# KiCad board oresat-batteries.kicad_pcb
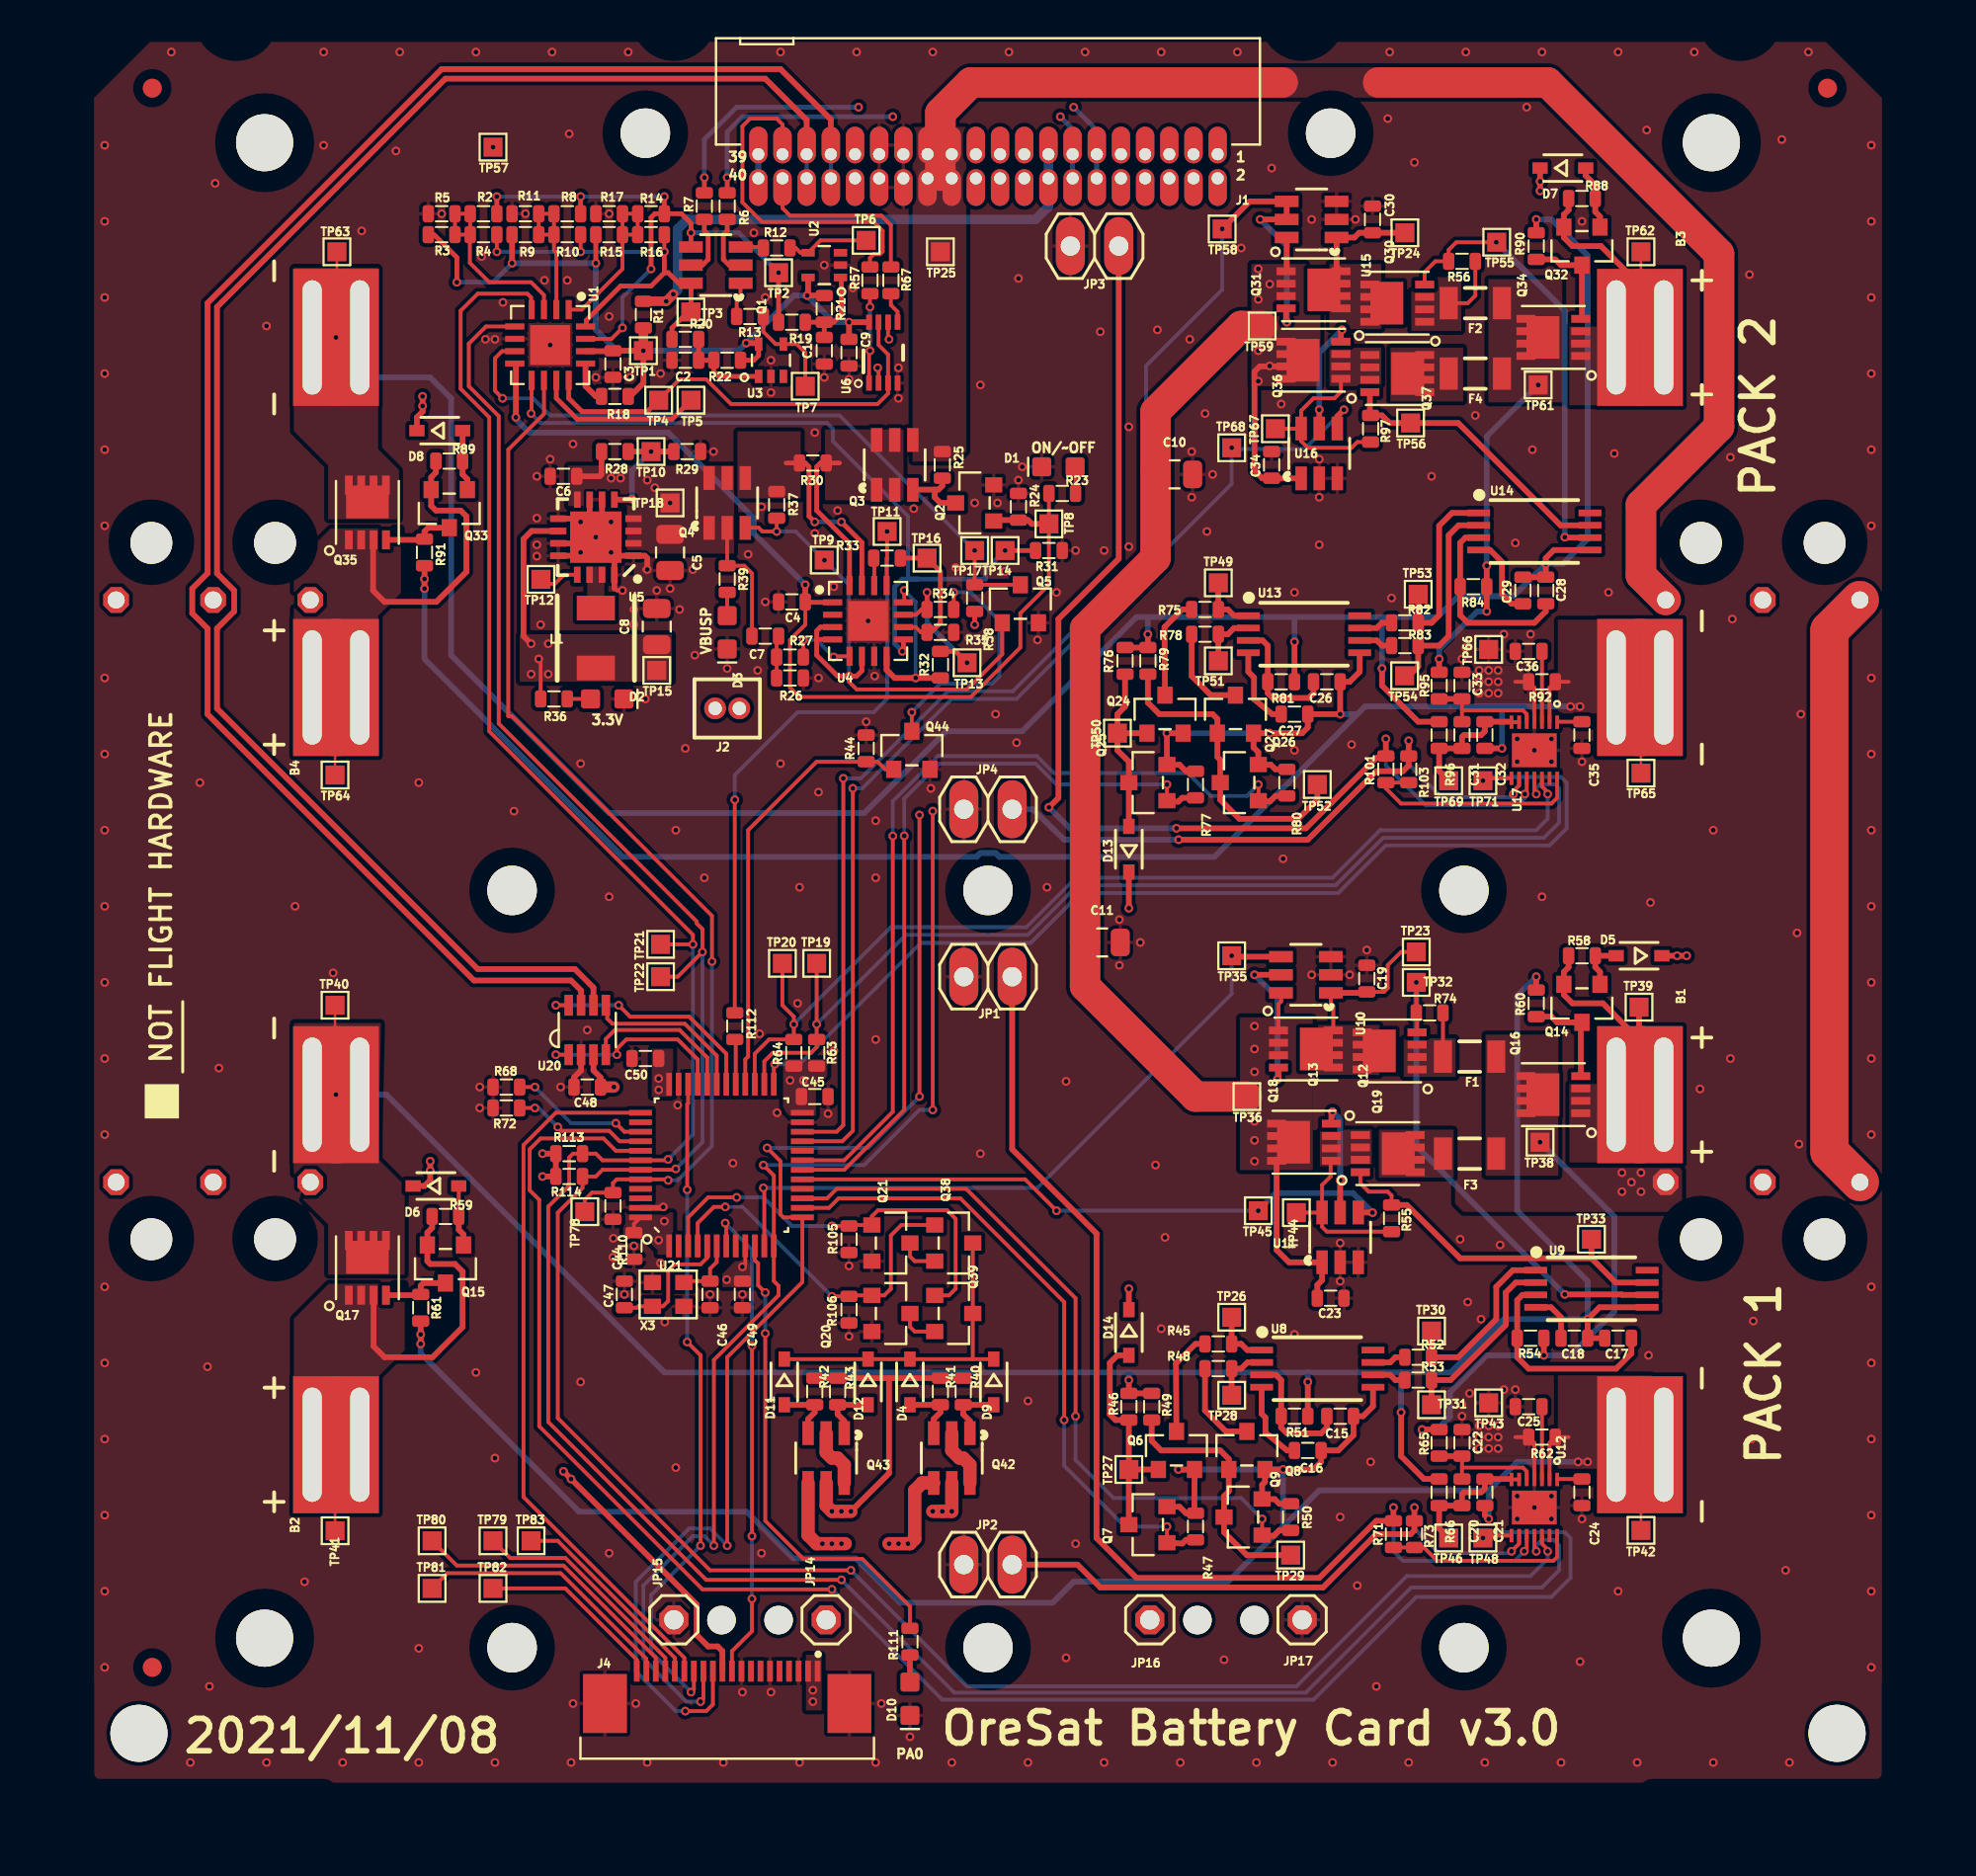
[diagram p0: board, top side]
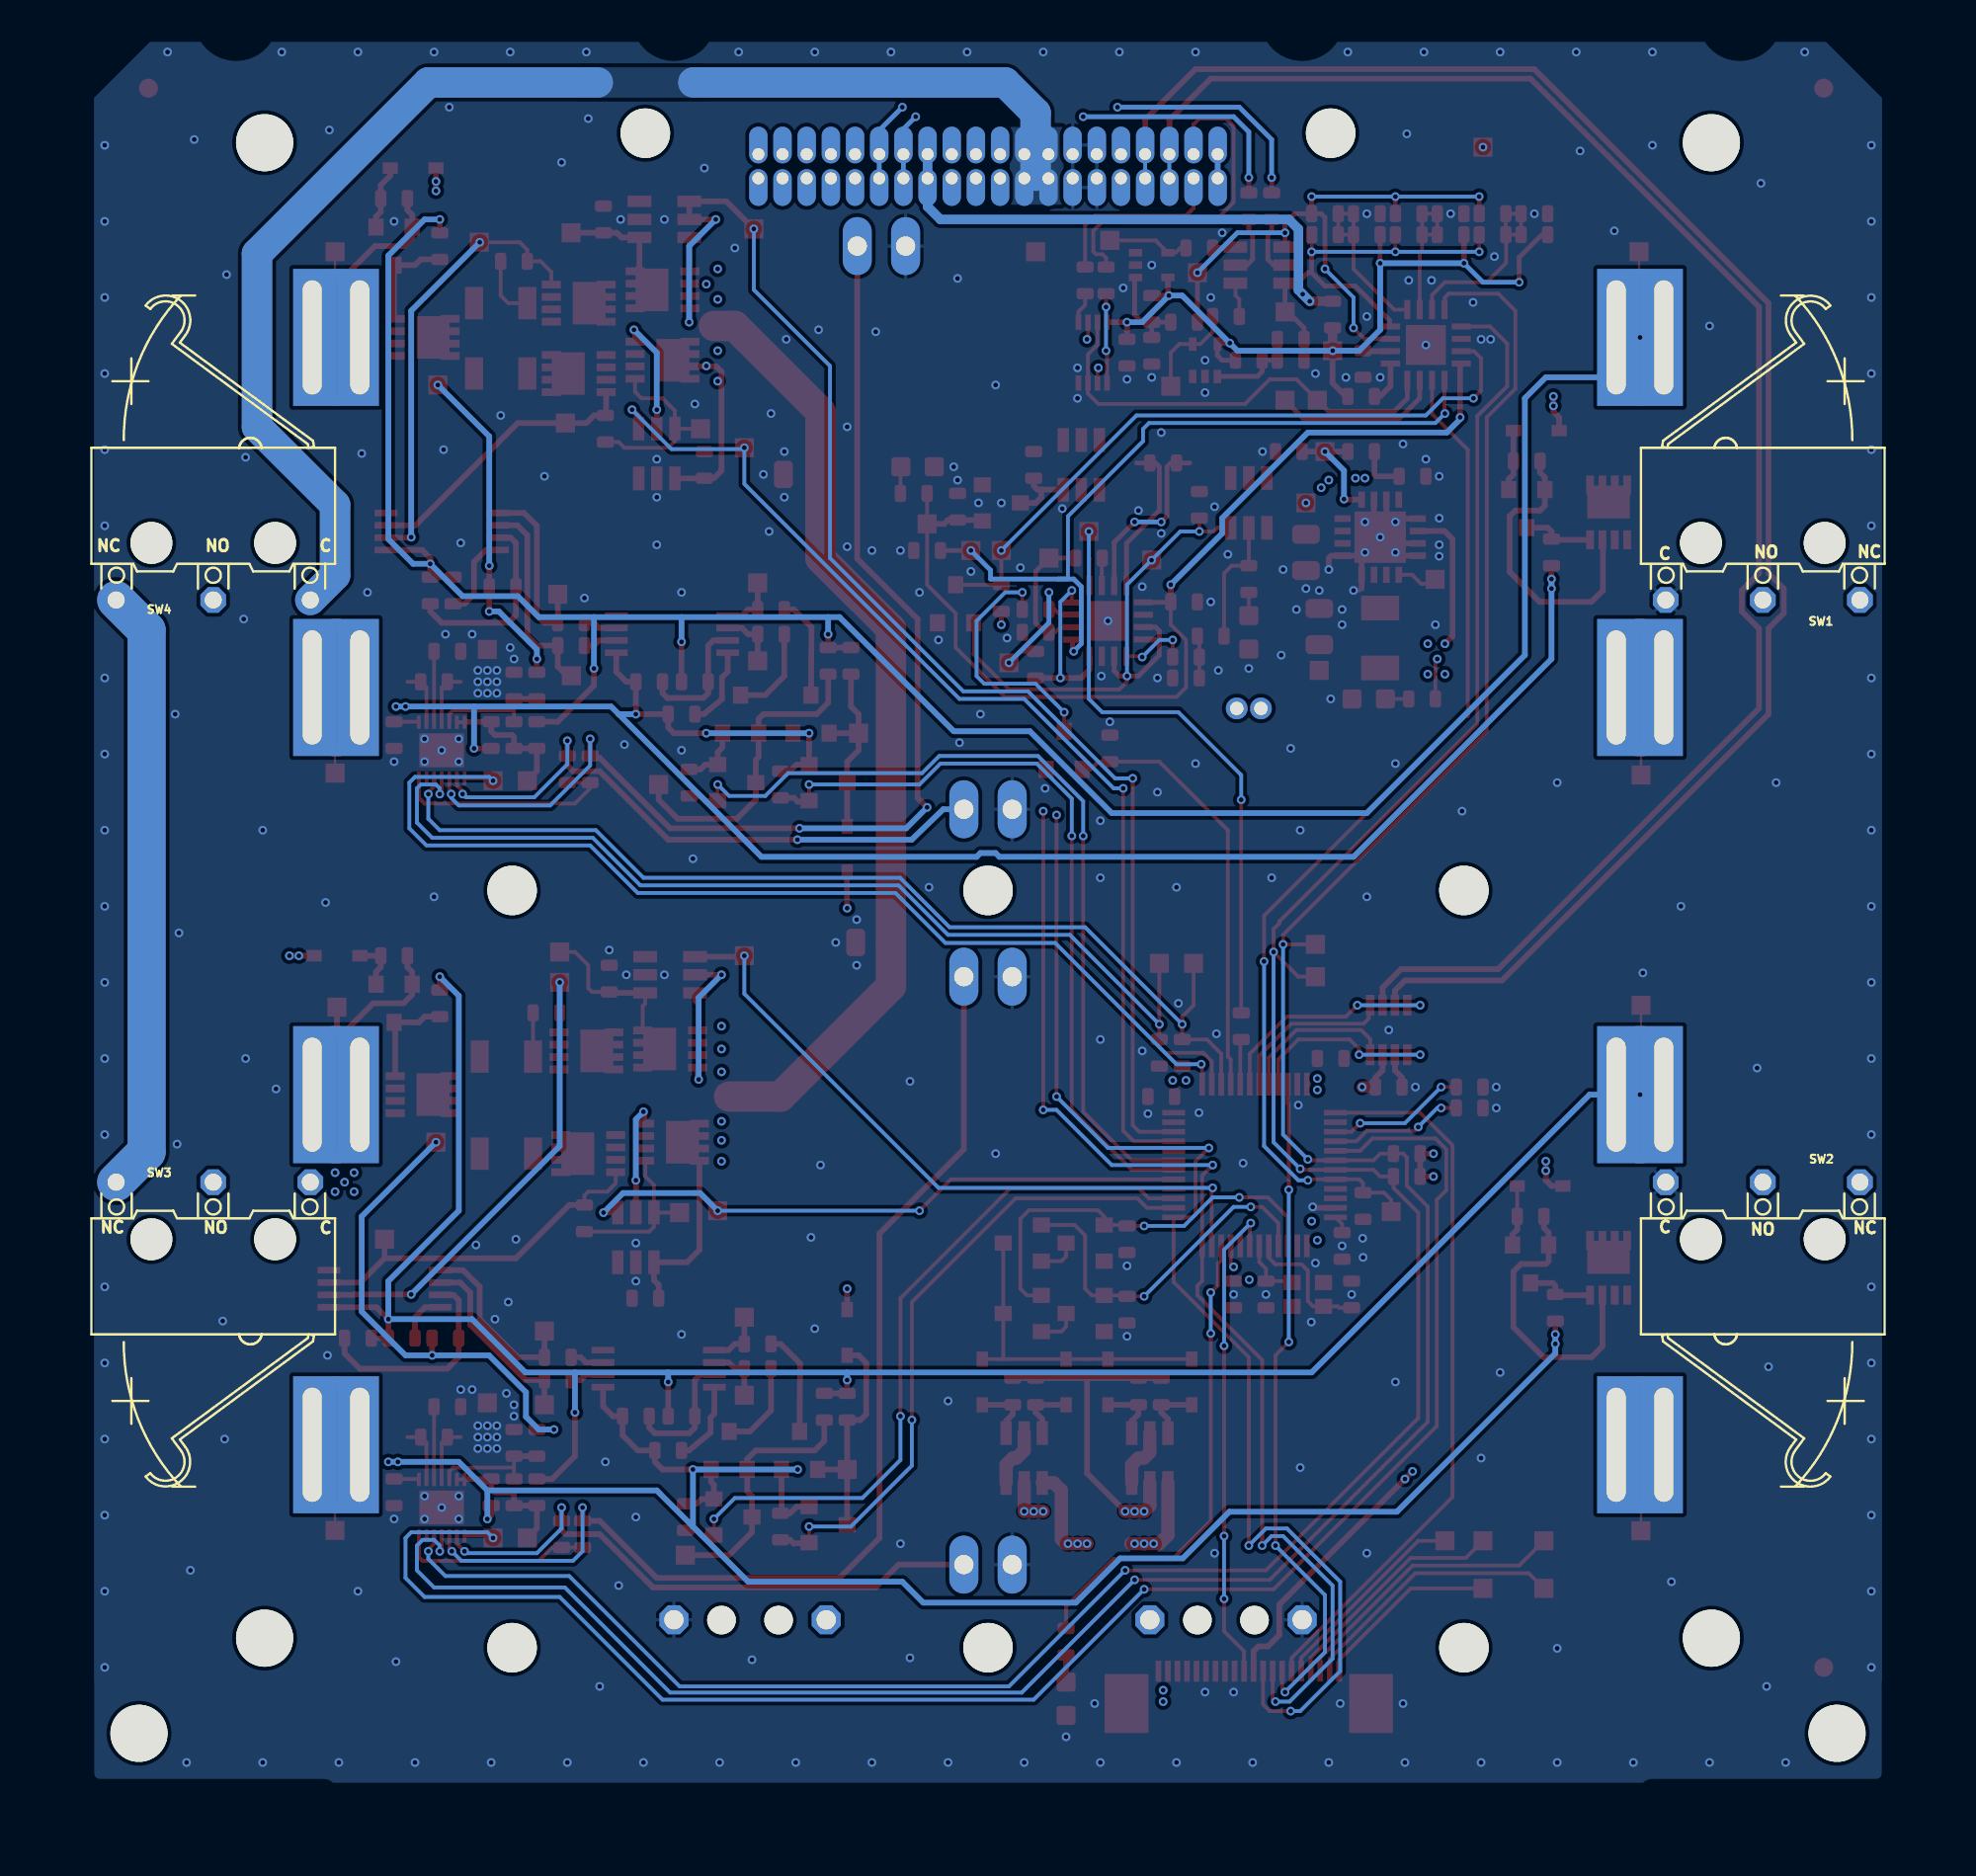
[diagram p1: board, bottom side, seen from below]

Outline 99.8 x 94.6 mm; copper layers: Top, In1.Cu, In2.Cu, Bottom. Coordinates in mm from the lower left corner of the outline.

## Placement (name value [footprint] x y rotation side)
B1  B-18650-LI-BATTERY  [18650]  49.9 39.07 270 top
B2  B-18650-LI-BATTERY  [18650]  49.9 20.67 90 top
B3  B-18650-LI-BATTERY  [18650]  49.9 78.87 270 top
B4  B-18650-LI-BATTERY  [18650]  49.9 60.47 90 top
C1  1u  [0603-SMALL]  41.3 78.17 270 top
C2  1u  [0603-SMALL]  34 77.67 180 top
C3  100n  [0603-SMALL]  30.2 77.47 90 top
C4  1u  [0603-SMALL]  39.6 64.97 180 top
C5  10u  [C_0805_2012Metric]  33.2 67.57 270 top
C6  1u  [0603-SMALL]  27.6 71.57 180 top
C7  1u  [0603-SMALL]  38.2 63.17 180 top
C8  22u  [C_0805_2012Metric]  32.5 63.67 90 top
C9  100n  [0603-SMALL]  42.6 78.07 90 top
C10  10u  [C_0805_2012Metric]  59.7 71.67 0 top
C11  10u  [C_0805_2012Metric]  55.9 47.07 0 top
C15  100n  [0603-SMALL]  68.4 22.17 0 top
C16  10n  [0603-SMALL]  66.7 20.37 0 top
C17  100n  [0603-SMALL]  83 26.27 180 top
C18  10n  [0603-SMALL]  80.7 26.27 0 top
C19  100n  [0603-SMALL]  69.8 45.17 90 top
C20  1n  [0603-SMALL]  74.8 18.17 270 top
C21  1n  [0603-SMALL]  76 18.17 270 top
C22  100n  [0603-SMALL]  74.8 20.77 90 top
C23  100n  [0603-SMALL]  67.9 28.37 0 top
C24  470n  [0603-SMALL]  81.1 18.17 270 top
C25  470n  [0603-SMALL]  78.3 22.67 180 top
C26  100n  [0603-SMALL]  67.7 60.77 0 top
C27  10n  [0603-SMALL]  66 59.07 0 top
C28  100n  [0603-SMALL]  79.2 65.57 90 top
C29  10n  [0603-SMALL]  78 65.57 90 top
C30  100n  [0603-SMALL]  70.1 85.07 90 top
C31  1n  [0603-SMALL]  74.8 57.97 270 top
C32  1n  [0603-SMALL]  76 57.97 270 top
C33  100n  [0603-SMALL]  74.8 60.57 90 top
C34  100n  [0603-SMALL]  64.8 72.17 90 top
C35  470n  [0603-SMALL]  81.1 57.97 270 top
C36  470n  [0603-SMALL]  78.3 62.37 180 top
C44  100n  [0603-SMALL]  31.3 31.12 90 top
C45  100n  [0603-SMALL]  40.8 38.97 180 top
C46  20p  [0603-SMALL]  35.3 28.57 270 top
C47  20p  [0603-SMALL]  30.8 28.57 90 top
C48  100n  [0603-SMALL]  28.85 39.47 0 top
C49  100n  [0603-SMALL]  37 28.57 90 top
C50  100n  [0603-SMALL]  31.9 40.97 0 top
D1  GREEN  [LED-0603]  53.6 72.07 180 top
D2  GREEN  [LED-0603]  29.9 59.87 0 top
D3  GREEN  [LED-0603]  36.2 63.37 270 top
D4  1N4151WS  [SOD323-R]  45.8 23.97 270 top
D5  1N4151WS  [D-SOD323-R]  84.1 46.37 180 top
D6  1N4151WS  [SOD323-R]  20.9 34.27 0 top
D7  1N4151WS  [SOD323-R]  80.1 87.77 0 top
D8  1N4151WS  [SOD323-R]  21.1 73.97 0 top
D9  1N4151WS  [SOD323-R]  50.2 23.97 270 top
D10  AMBER  [LED-0603]  45.8 7.32 270 top
D11  1N4151WS  [SOD323-R]  39.2 23.97 270 top
D12  1N4151WS  [SOD323-R]  43.6 23.97 270 top
D13  1N4151WS  [SOD323-R]  57.3 51.97 90 top
D14  1N4151WS  [SOD323-R]  57.3 26.57 270 top
F1  1206L500/12SLPR  [1206-C]  75.2 41.07 0 top
F2  1206L500/12SLPR  [1206-C]  75.5 80.67 0 top
F3  1206L150/12SLYR  [1206-C]  75.2 35.97 0 top
F4  1206L150/12SLYR  [1206-C]  75.5 76.97 0 top
FIDUCIAL1  -  [FIDUCIAL-1.0X2.0]  94 91.97 0 top
FIDUCIAL2  -  [FIDUCIAL-1.0X2.0]  6 91.97 0 top
FIDUCIAL3  -  [FIDUCIAL-1.0X2.0]  6 8.97 0 top
J1  -  [J-SAMTEC-TFM-120-X1-XXX-D-RA]  49.9 87.86 0 top
J2  FTS-102-01-X-SJ  [SAMTEC-FTS-102-01-X-S]  36.2 59.37 0 top
J4  ORESAT-DEBUG-CONNECTOR-ALL  [TE_2-1734592-0]  36.2 7.07 180 top
JP1  PINHD-1X2  [J-1X02]  49.9 45.27 180 top
JP2  PINHD-1X2  [J-1X02]  49.9 14.37 180 top
JP3  PINHD-1X2  [J-1X02]  55.5 83.67 180 top
JP4  PINHD-1X2  [J-1X02]  49.9 54.07 180 top
JP14  PINHD-1X1  [1X01]  41.4 11.47 90 top
JP15  PINHD-1X1  [1X01]  33.4 11.47 90 top
JP16  PINHD-1X1  [1X01]  58.4 11.47 0 top
JP17  PINHD-1X1  [1X01]  66.4 11.47 0 top
L1  6.8u  [L-ECS-MPI4040]  29.3 63.07 0 top
Q1  DMP2240UDM  [SOT23-6]  35.6 82.67 270 top
Q2  PMV45EN  [SOT23-3]  49.2 70.17 90 top
Q3  DMP3050LVT-7  [SOT23-6]  45 72.17 180 top
Q4  DMP3050LVT-7  [SOT23-6]  36.2 70.17 180 top
Q5  PMV45EN  [SOT23-3]  51.6 64.87 0 top
Q6  PM45VEN  [SOT23-3]  59.8 20.37 0 top
Q7  PM45VEN  [SOT23-3]  58.3 16.47 90 top
Q8  PM45VEN  [SOT23-3]  63.5 20.37 0 top
Q9  PM45VEN  [SOT23-3]  63.3 16.87 90 top
Q12  Si7625DN  [POWERPAK-1212-8]  71 41.37 90 top
Q13  Si7625DN  [POWERPAK-1212-8]  66.6 41.47 270 top
Q14  NTR4101  [SOT23-3]  81.1 43.87 180 top
Q15  NTR4101  [SOT23-3]  21.4 30.17 180 top
Q16  Si7625DN  [POWERPAK-1212-8]  79.6 39.07 90 top
Q17  Si7625DN  [POWERPAK-1212-8]  17.3 29.97 0 top
Q18  Si7625DN  [POWERPAK-1212-8]  66.5 36.57 90 top
Q19  Si7625DN  [POWERPAK-1212-8]  70.9 35.97 270 top
Q20  PMV45EN  [SOT23-3]  44.8 27.57 270 top
Q21  PMV45EN  [SOT23-3]  44.8 31.27 270 top
Q24  PM45VEN  [SOT23-3]  59.2 59.07 0 top
Q25  PM45VEN  [SOT23-3]  58.3 55.47 90 top
Q26  PM45VEN  [SOT23-3]  62.9 59.07 0 top
Q27  PM45VEN  [SOT23-3]  63.1 55.47 90 top
Q30  Si7625DN  [POWERPAK-1212-8]  71.4 80.67 90 top
Q31  Si7625DN  [POWERPAK-1212-8]  67 81.37 270 top
Q32  NTR4101  [SOT23-3]  81.1 83.67 180 top
Q33  NTR4101  [SOT23-3]  21.6 69.87 180 top
Q34  Si7625DN  [POWERPAK-1212-8]  79.6 78.87 90 top
Q35  Si7625DN  [POWERPAK-1212-8]  17.3 69.67 0 top
Q36  Si7625DN  [POWERPAK-1212-8]  67 77.67 90 top
Q37  Si7625DN  [POWERPAK-1212-8]  71.4 76.97 270 top
Q38  PMV45EN  [SOT23-3]  48.1 31.27 270 top
Q39  PMV45EN  [SOT23-3]  48.1 27.57 270 top
Q42  DMP2240UDM  [SOT23-6]  48 19.97 0 top
Q43  DMP2240UDM  [SOT23-6]  41.4 19.97 0 top
Q44  PMV45EN  [SOT23-3]  45.9 57.17 0 top
R1  10  [0603-SMALL]  31.8 80.07 270 top
R2  NP  [0603-SMALL]  23.4 85.37 180 top
R3  NP  [0603-SMALL]  21.2 84.27 180 top
R4  NP  [0603-SMALL]  23.4 84.27 0 top
R5  10k  [0603-SMALL]  21.2 85.37 0 top
R6  100  [0603-SMALL]  36.2 85.77 270 top
R7  100  [0603-SMALL]  35 85.77 270 top
R8  NP  [0603-SMALL]  27.8 85.37 180 top
R9  NP  [0603-SMALL]  25.6 84.27 180 top
R10  NP  [0603-SMALL]  27.8 84.27 0 top
R11  10k  [0603-SMALL]  25.6 85.37 0 top
R12  665k  [0603-SMALL]  38.8 83.57 180 top
R13  665k  [0603-SMALL]  37.4 79.97 180 top
R14  NP  [0603-SMALL]  32.2 85.37 180 top
R15  NP  [0603-SMALL]  30 84.27 180 top
R16  NP  [0603-SMALL]  32.2 84.27 0 top
R17  10k  [0603-SMALL]  30 85.37 0 top
R18  10k  [0603-SMALL]  30.3 75.77 0 top
R19  330k  [0603-SMALL]  39.6 79.67 180 top
R20  330k  [0603-SMALL]  34 78.77 180 top
R21  1M  [0603-SMALL]  41.3 80.37 90 top
R22  1M  [0603-SMALL]  36.2 77.67 0 top
R23  2.7k  [0603-SMALL]  53.8 70.67 180 top
R24  10k  [0603-SMALL]  51.5 69.97 270 top
R25  10k  [0603-SMALL]  47.5 72.17 90 top
R26  100k  [0603-SMALL]  39.5 60.97 180 top
R27  10k  [0603-SMALL]  39.5 62.07 180 top
R28  10k  [0603-SMALL]  30.3 72.87 180 top
R29  NP  [0603-SMALL]  34.1 72.87 180 top
R30  100m  [0603-SMALL]  40.7 72.27 180 top
R31  10k  [0603-SMALL]  53.1 67.67 180 top
R32  10k  [0603-SMALL]  47.4 61.67 270 top
R33  0  [0603-SMALL]  44.6 67.27 180 top
R34  20k  [0603-SMALL]  47.4 64.57 180 top
R35  NP  [0603-SMALL]  47.4 63.37 180 top
R36  2.7k  [0603-SMALL]  27.1 59.87 180 top
R37  10k  [0603-SMALL]  38.8 70.07 90 top
R38  10k  [0603-SMALL]  49.2 65.17 270 top
R39  2.7k  [0603-SMALL]  36.2 66.17 90 top
R40  10k  [0603-SMALL]  48.6 23.47 270 top
R41  10k  [0603-SMALL]  47.4 23.47 270 top
R42  10k  [0603-SMALL]  40.8 23.47 270 top
R43  10k  [0603-SMALL]  42 23.47 270 top
R44  10k  [0603-SMALL]  43.5 57.27 270 top
R45  1k  [0603-SMALL]  62 25.97 0 top
R46  100k  [0603-SMALL]  57.3 22.67 90 top
R47  100k  [0603-SMALL]  60.8 16.37 270 top
R48  1k  [0603-SMALL]  62 24.67 0 top
R49  100k  [0603-SMALL]  58.5 22.67 270 top
R50  100k  [0603-SMALL]  65.8 16.87 270 top
R51  470  [0603-SMALL]  66 22.17 0 top
R52  1k  [0603-SMALL]  72.5 25.27 0 top
R53  1k  [0603-SMALL]  72.5 24.07 0 top
R54  470  [0603-SMALL]  78.4 26.27 180 top
R55  100k  [0603-SMALL]  71.1 32.57 270 top
R56  100k  [0603-SMALL]  74.8 82.87 0 top
R57  10k  [0603-SMALL]  43.7 81.87 90 top
R58  100k  [0603-SMALL]  81.1 46.37 180 top
R59  100k  [0603-SMALL]  21.4 32.67 0 top
R60  100k  [0603-SMALL]  78.7 43.87 90 top
R61  100k  [0603-SMALL]  20.1 27.87 270 top
R62  10m  [0603-SMALL]  79 21.07 180 top
R63  4.7k  [0603-SMALL]  40.9 41.27 270 top
R64  4.7k  [0603-SMALL]  39.7 41.27 270 top
R65  10  [0603-SMALL]  73.6 20.77 90 top
R66  100  [0603-SMALL]  73.6 18.17 270 top
R67  10k  [0603-SMALL]  44.8 81.87 90 top
R68  10k  [0603-SMALL]  24.6 39.47 180 top
R71  10k  [0603-SMALL]  71.2 15.97 270 top
R72  10k  [0603-SMALL]  24.6 38.37 180 top
R73  10k  [0603-SMALL]  72.3 15.97 270 top
R74  100k  [0603-SMALL]  73.1 43.37 180 top
R75  1k  [0603-SMALL]  61.3 64.57 0 top
R76  100k  [0603-SMALL]  57.1 61.87 90 top
R77  100k  [0603-SMALL]  60.8 55.37 270 top
R78  1k  [0603-SMALL]  61.3 63.27 0 top
R79  100k  [0603-SMALL]  58.3 61.87 270 top
R80  100k  [0603-SMALL]  65.6 55.47 270 top
R81  470  [0603-SMALL]  65.3 60.77 0 top
R82  1k  [0603-SMALL]  71.8 63.87 0 top
R83  1k  [0603-SMALL]  71.8 62.67 0 top
R84  470  [0603-SMALL]  75.4 65.77 180 top
R88  100k  [0603-SMALL]  81.1 86.17 180 top
R89  100k  [0603-SMALL]  21.6 72.37 0 top
R90  100k  [0603-SMALL]  78.7 83.67 90 top
R91  100k  [0603-SMALL]  20.3 67.57 270 top
R92  10m  [0603-SMALL]  79 60.77 180 top
R95  10  [0603-SMALL]  73.6 60.57 90 top
R96  100  [0603-SMALL]  73.6 57.97 270 top
R97  100k  [0603-SMALL]  70 74.07 270 top
R101  10k  [0603-SMALL]  70.8 56.17 270 top
R103  10k  [0603-SMALL]  72 56.17 270 top
R105  10k  [0603-SMALL]  42.6 31.47 270 top
R106  10k  [0603-SMALL]  42.6 27.77 270 top
R110  10k  [0603-SMALL]  30.2 33.22 90 top
R111  2.7k  [0603-SMALL]  45.8 10.32 90 top
R112  10k  [0603-SMALL]  36.6 42.67 270 top
R113  4.7k  [0603-SMALL]  27.9 35.97 180 top
R114  4.7k  [0603-SMALL]  27.9 34.77 180 top
SW1  OMRON-D2F-5L3-LEFT  [SW-D2F-L3-D-HORIZONTAL-L]  9.2 68.07 180 bottom
SW2  OMRON-D2F-5L3-RIGHT  [SW-D2F-L3-D-HORIZONTAL-R]  9.2 31.47 0 bottom
SW3  OMRON-D2F-5L3-LEFT  [SW-D2F-L3-D-HORIZONTAL-L]  90.6 31.47 0 bottom
SW4  OMRON-D2F-5L3-RIGHT  [SW-D2F-L3-D-HORIZONTAL-R]  90.6 68.07 180 bottom
TP1  TEST-POINT-LARGE-SQUARE  [TestPoint_Pad_1.0x1.0mm]  31.8 78.17 0 top
TP2  TEST-POINT-LARGE-SQUARE  [TestPoint_Pad_1.0x1.0mm]  38.9 82.27 0 top
TP3  TEST-POINT-LARGE-SQUARE  [TestPoint_Pad_1.0x1.0mm]  34.29 80.21 0 top
TP4  TEST-POINT-LARGE-SQUARE  [TestPoint_Pad_1.0x1.0mm]  32.6 75.57 0 top
TP5  TEST-POINT-LARGE-SQUARE  [TestPoint_Pad_1.0x1.0mm]  34.3 75.57 0 top
TP6  TEST-POINT-LARGE-SQUARE  [TestPoint_Pad_1.0x1.0mm]  43.5 83.97 0 top
TP7  TEST-POINT-LARGE-SQUARE  [TestPoint_Pad_1.0x1.0mm]  40.3 76.3 0 top
TP8  TEST-POINT-LARGE-SQUARE  [TestPoint_Pad_1.0x1.0mm]  53.1 69.07 90 top
TP9  TEST-POINT-LARGE-SQUARE  [TestPoint_Pad_1.0x1.0mm]  41.3 67.17 0 top
TP10  TEST-POINT-LARGE-SQUARE  [TestPoint_Pad_1.0x1.0mm]  32.2 72.87 0 top
TP11  TEST-POINT-LARGE-SQUARE  [TestPoint_Pad_1.0x1.0mm]  44.6 68.67 0 top
TP12  TEST-POINT-LARGE-SQUARE  [TestPoint_Pad_1.0x1.0mm]  26.41 66.15 180 top
TP13  TEST-POINT-LARGE-SQUARE  [TestPoint_Pad_1.0x1.0mm]  48.8 61.77 0 top
TP14  TEST-POINT-LARGE-SQUARE  [TestPoint_Pad_1.0x1.0mm]  50.8 67.67 0 top
TP15  TEST-POINT-LARGE-SQUARE  [TestPoint_Pad_1.0x1.0mm]  32.5 61.37 180 top
TP16  TEST-POINT-LARGE-SQUARE  [TestPoint_Pad_1.0x1.0mm]  46.7 67.27 0 top
TP17  TEST-POINT-LARGE-SQUARE  [TestPoint_Pad_1.0x1.0mm]  49.2 67.67 0 top
TP18  TEST-POINT-LARGE-SQUARE  [TestPoint_Pad_1.0x1.0mm]  33.2 70.17 0 top
TP19  TEST-POINT-LARGE-SQUARE  [TestPoint_Pad_1.0x1.0mm]  40.9 45.97 0 top
TP20  TEST-POINT-LARGE-SQUARE  [TestPoint_Pad_1.0x1.0mm]  39.1 45.97 0 top
TP21  TEST-POINT-LARGE-SQUARE  [TestPoint_Pad_1.0x1.0mm]  32.7 46.97 90 top
TP22  TEST-POINT-LARGE-SQUARE  [TestPoint_Pad_1.0x1.0mm]  32.7 45.27 90 top
TP23  TEST-POINT-LARGE-SQUARE  [TestPoint_Pad_1.0x1.0mm]  72.4 46.57 0 top
TP24  TEST-POINT-LARGE-SQUARE  [TestPoint_Pad_1.0x1.0mm]  71.8 84.37 0 top
TP25  TEST-POINT-LARGE-SQUARE  [TestPoint_Pad_1.0x1.0mm]  47.4 83.37 0 top
TP26  TEST-POINT-LARGE-SQUARE  [TestPoint_Pad_1.0x1.0mm]  62.7 27.37 180 top
TP27  TEST-POINT-LARGE-SQUARE  [TestPoint_Pad_1.0x1.0mm]  57.3 19.37 90 top
TP28  TEST-POINT-LARGE-SQUARE  [TestPoint_Pad_1.0x1.0mm]  62.7 23.27 0 top
TP29  TEST-POINT-LARGE-SQUARE  [TestPoint_Pad_1.0x1.0mm]  65.8 14.87 0 top
TP30  TEST-POINT-LARGE-SQUARE  [TestPoint_Pad_1.0x1.0mm]  73.2 26.64 0 top
TP31  TEST-POINT-LARGE-SQUARE  [TestPoint_Pad_1.0x1.0mm]  73.2 22.77 0 top
TP32  TEST-POINT-LARGE-SQUARE  [TestPoint_Pad_1.0x1.0mm]  72.4 44.97 180 top
TP33  TEST-POINT-LARGE-SQUARE  [TestPoint_Pad_1.0x1.0mm]  81.6 31.47 180 top
TP35  TEST-POINT-LARGE-SQUARE  [TestPoint_Pad_1.0x1.0mm]  62.7 46.37 180 top
TP36  TEST-POINT-LARGE-SQUARE  [TestPoint_Pad_1.0x1.0mm]  63.5 38.97 180 top
TP38  TEST-POINT-LARGE-SQUARE  [TestPoint_Pad_1.0x1.0mm]  78.9 36.57 0 top
TP39  TEST-POINT-LARGE-SQUARE  [TestPoint_Pad_1.0x1.0mm]  84.1 43.67 0 top
TP40  TEST-POINT-LARGE-SQUARE  [TestPoint_Pad_1.0x1.0mm]  15.6 43.77 0 top
TP41  TEST-POINT-LARGE-SQUARE  [TestPoint_Pad_1.0x1.0mm]  15.6 16.15 90 top
TP42  TEST-POINT-LARGE-SQUARE  [TestPoint_Pad_1.0x1.0mm]  84.2 16.16 0 top
TP43  TEST-POINT-LARGE-SQUARE  [TestPoint_Pad_1.0x1.0mm]  76.2 22.87 180 top
TP44  TEST-POINT-LARGE-SQUARE  [TestPoint_Pad_1.0x1.0mm]  66.1 32.87 90 top
TP45  TEST-POINT-LARGE-SQUARE  [TestPoint_Pad_1.0x1.0mm]  64.1 32.97 0 top
TP46  TEST-POINT-LARGE-SQUARE  [TestPoint_Pad_1.0x1.0mm]  74.1 15.77 0 top
TP48  TEST-POINT-LARGE-SQUARE  [TestPoint_Pad_1.0x1.0mm]  75.9 15.77 0 top
TP49  TEST-POINT-LARGE-SQUARE  [TestPoint_Pad_1.0x1.0mm]  62 65.97 180 top
TP50  TEST-POINT-LARGE-SQUARE  [TestPoint_Pad_1.0x1.0mm]  56.7 58.07 90 top
TP51  TEST-POINT-LARGE-SQUARE  [TestPoint_Pad_1.0x1.0mm]  62 61.87 0 top
TP52  TEST-POINT-LARGE-SQUARE  [TestPoint_Pad_1.0x1.0mm]  67.2 55.37 0 top
TP53  TEST-POINT-LARGE-SQUARE  [TestPoint_Pad_1.0x1.0mm]  72.5 65.37 0 top
TP54  TEST-POINT-LARGE-SQUARE  [TestPoint_Pad_1.0x1.0mm]  71.78 61.08 0 top
TP55  TEST-POINT-LARGE-SQUARE  [TestPoint_Pad_1.0x1.0mm]  76.62 83.87 180 top
TP56  TEST-POINT-LARGE-SQUARE  [TestPoint_Pad_1.0x1.0mm]  72.1 74.37 180 top
TP57  TEST-POINT-LARGE-SQUARE  [TestPoint_Pad_1.0x1.0mm]  23.9 88.87 180 top
TP58  TEST-POINT-LARGE-SQUARE  [TestPoint_Pad_1.0x1.0mm]  62.2 84.57 180 top
TP59  TEST-POINT-LARGE-SQUARE  [TestPoint_Pad_1.0x1.0mm]  64.3 79.47 180 top
TP61  TEST-POINT-LARGE-SQUARE  [TestPoint_Pad_1.0x1.0mm]  78.8 76.37 0 top
TP62  TEST-POINT-LARGE-SQUARE  [TestPoint_Pad_1.0x1.0mm]  84.2 83.37 0 top
TP63  TEST-POINT-LARGE-SQUARE  [TestPoint_Pad_1.0x1.0mm]  15.7 83.37 180 top
TP64  TEST-POINT-LARGE-SQUARE  [TestPoint_Pad_1.0x1.0mm]  15.6 55.87 0 top
TP65  TEST-POINT-LARGE-SQUARE  [TestPoint_Pad_1.0x1.0mm]  84.2 55.97 0 top
TP66  TEST-POINT-LARGE-SQUARE  [TestPoint_Pad_1.0x1.0mm]  76.2 62.47 90 top
TP67  TEST-POINT-LARGE-SQUARE  [TestPoint_Pad_1.0x1.0mm]  65 74.07 90 top
TP68  TEST-POINT-LARGE-SQUARE  [TestPoint_Pad_1.0x1.0mm]  62.7 73.07 0 top
TP69  TEST-POINT-LARGE-SQUARE  [TestPoint_Pad_1.0x1.0mm]  74.1 55.57 0 top
TP71  TEST-POINT-LARGE-SQUARE  [TestPoint_Pad_1.0x1.0mm]  75.9 55.57 0 top
TP78  TEST-POINT-LARGE-SQUARE  [TestPoint_Pad_1.0x1.0mm]  28.72 32.92 270 top
TP79  TEST-POINT-LARGE-SQUARE  [TestPoint_Pad_1.0x1.0mm]  23.9 15.62 0 top
TP80  TEST-POINT-LARGE-SQUARE  [TestPoint_Pad_1.0x1.0mm]  20.7 15.62 0 top
TP81  TEST-POINT-LARGE-SQUARE  [TestPoint_Pad_1.0x1.0mm]  20.7 13.12 0 top
TP82  TEST-POINT-LARGE-SQUARE  [TestPoint_Pad_1.0x1.0mm]  23.9 13.12 0 top
TP83  TEST-POINT-LARGE-SQUARE  [TestPoint_Pad_1.0x1.0mm]  25.9 15.62 0 top
U1  MAX7310ATE  [QFN65P400X400X80-17T210]  26.9 78.47 270 top
U2  MIC842LYC5  [SC70-5]  41.3 82.67 90 top
U3  MIC842LYC5  [SC70-5]  38.5 77.67 0 top
U4  MAX4211FETE  [QFN65P400X400X80-17T210]  43.6 63.97 0 top
U5  TPS62111RSA  [U-S-PVQFN-16]  29.3 68.37 180 top
U6  TS5A21366DCUR  [DCU0008A_N]  44.4 78.07 90 top
U8  S-8209AAA-T8T1U  [TSSOP8]  67.2 24.67 0 top
U9  S-8209AAA-T8T1U  [TSSOP8]  81.6 28.87 0 top
U10  LTC4412  [SOT23-6]  66.6 45.37 270 top
U11  LTC4412  [SOT23-6]  68.4 31.57 180 top
U12  MAX17205G  [21-0137I_T1433-2]  78.6 17.37 270 top
U13  S-8209AAA-T8T1U  [TSSOP8]  66.5 63.27 0 top
U14  S-8209AAA-T8T1U  [TSSOP8]  78.6 68.67 0 top
U15  LTC4412  [SOT23-6]  66.9 85.07 270 top
U16  LTC4412  [SOT23-6]  67.3 72.77 180 top
U17  MAX17205G  [21-0137I_T1433-2]  78.6 57.17 270 top
U20  TCAN330  [SOT23-8_TI-DCN]  28.85 42.47 0 top
U21  -  [STM32F091C]  35.9 35.37 0 top
U$1  FLIGHMARKERNEW  [FLIGHTMARKER_NEW_BOARDS]  7.1 38.07 90 top
U$2  BatteryBoardOutline  [ORESAT-CARD-V1.3-BATTERY-V3.0]  0 0 0 top
X3  16MHZ-2.5x2mm  [CRYSTAL_2.5X2]  33.1 28.57 0 top
